# Allegro board LED_FIN.brd (continued)
## Routing (per net, layer and track width the routed paths; a pad name or vN(x,y) marks a point on that pad's centre or on a via; arc(x,y) is an arc through that point) (continued)
COL_OUT_B57: length 244.9
  TOP w0.15: D7083.1 v1(163.25,300.8) ; D7263.1 v1(163.25,288.8) ; D7023.1 v1(163.25,304.8) ; D7533.1 v1(163.25,270.8) ; v1(162.55,99.8) R183.1 ; D7743.1 v1(163.25,256.8) ; D7143.1 v1(163.25,296.8) ; D7773.1 v1(163.25,254.8) ; D7803.1 v1(163.25,252.8) ; D7893.1 v1(163.25,246.8) ; D6963.1 v1(163.25,308.8) ; D7383.1 v1(163.25,280.8) ; D7563.1 v1(163.25,268.8) ; D7293.1 v1(163.25,286.8) ; D7713.1 v1(163.25,258.8) ; D7113.1 v1(163.25,298.8) ; D7473.1 v1(163.25,274.8) ; D7173.1 v1(163.25,294.8) ; D7923.1 v1(163.25,244.8) ; D7323.1 v1(163.25,284.8) ; D7233.1 v1(163.25,290.8) ; D7653.1 v1(163.25,262.8) ; D7833.1 v1(163.25,250.8) ; D7863.1 v1(163.25,248.8) ; D7953.1 v1(163.25,242.8) ; D6933.1 v1(163.25,310.8) ; D7203.1 v1(163.25,292.8) ; D6903.1 v1(163.25,312.8) ; D7053.1 v1(163.25,302.8) ; D7503.1 v1(163.25,272.8) ; D7593.1 v1(163.25,266.8) ; D7683.1 v1(163.25,260.8) ; D7413.1 v1(163.25,278.8) ; D6993.1 v1(163.25,306.8) ; D6843.1 v1(163.25,316.8) ; D6873.1 v1(163.25,314.8) ; D7443.1 v1(163.25,276.8) ; D7353.1 v1(163.25,282.8) ; D7623.1 v1(163.25,264.8)
  BOTTOM w0.15: v1(162.55,99.8) 162.55,100.3 162.3,100.55 162.3,132.55 162.55,132.8 162.55,242.1 v1(163.25,242.8) v1(163.25,244.8) v1(163.25,246.8) v1(163.25,248.8) v1(163.25,250.8) v1(163.25,252.8) v1(163.25,254.8) v1(163.25,256.8) v1(163.25,258.8) v1(163.25,260.8) v1(163.25,262.8) v1(163.25,264.8) v1(163.25,266.8) v1(163.25,268.8) v1(163.25,270.8) v1(163.25,272.8) v1(163.25,274.8) v1(163.25,276.8) v1(163.25,278.8) v1(163.25,280.8) v1(163.25,282.8) v1(163.25,284.8) v1(163.25,286.8) v1(163.25,288.8) v1(163.25,290.8) v1(163.25,292.8) v1(163.25,294.8) v1(163.25,296.8) v1(163.25,298.8) v1(163.25,300.8) v1(163.25,302.8) v1(163.25,304.8) v1(163.25,306.8) v1(163.25,308.8) v1(163.25,310.8) v1(163.25,312.8) v1(163.25,314.8) v1(163.25,316.8)
COL_OUT_B58: length 245
  TOP w0.15: D7322.1 v1(161.25,284.8) ; D6872.1 v1(161.25,314.8) ; D6932.1 v1(161.25,310.8) ; D7622.1 v1(161.25,264.8) ; D7262.1 v1(161.25,288.8) ; D7352.1 v1(161.25,282.8) ; D7562.1 v1(161.25,268.8) ; D7052.1 v1(161.25,302.8) ; D7832.1 v1(161.25,250.8) ; D7892.1 v1(161.25,246.8) ; D7172.1 v1(161.25,294.8) ; D7412.1 v1(161.25,278.8) ; D7082.1 v1(161.25,300.8) ; D6992.1 v1(161.25,306.8) ; D7292.1 v1(161.25,286.8) ; D7142.1 v1(161.25,296.8) ; D7652.1 v1(161.25,262.8) ; D7682.1 v1(161.25,260.8) ; D7532.1 v1(161.25,270.8) ; D7712.1 v1(161.25,258.8) ; D7472.1 v1(161.25,274.8) ; D7952.1 v1(161.25,242.8) ; D7802.1 v1(161.25,252.8) ; D7442.1 v1(161.25,276.8) ; D7112.1 v1(161.25,298.8) ; D7022.1 v1(161.25,304.8) ; D6902.1 v1(161.25,312.8) ; D7742.1 v1(161.25,256.8) ; v1(160.55,132.8) 160.96,132.39 160.96,129.21 v1(160.55,128.8) ; D7862.1 v1(161.25,248.8) ; D7772.1 v1(161.25,254.8) ; D7592.1 v1(161.25,266.8) ; D7202.1 v1(161.25,292.8) ; D7922.1 v1(161.25,244.8) ; v1(160.55,99.8) R182.1 ; D7382.1 v1(161.25,280.8) ; D7232.1 v1(161.25,290.8) ; D6842.1 v1(161.25,316.8) ; D6962.1 v1(161.25,308.8) ; D7502.1 v1(161.25,272.8)
  BOTTOM w0.15: v1(160.55,132.8) 160.55,242.1 v1(161.25,242.8) v1(161.25,244.8) v1(161.25,246.8) v1(161.25,248.8) v1(161.25,250.8) v1(161.25,252.8) v1(161.25,254.8) v1(161.25,256.8) v1(161.25,258.8) v1(161.25,260.8) v1(161.25,262.8) v1(161.25,264.8) v1(161.25,266.8) v1(161.25,268.8) v1(161.25,270.8) v1(161.25,272.8) v1(161.25,274.8) v1(161.25,276.8) v1(161.25,278.8) v1(161.25,280.8) v1(161.25,282.8) v1(161.25,284.8) v1(161.25,286.8) v1(161.25,288.8) v1(161.25,290.8) v1(161.25,292.8) v1(161.25,294.8) v1(161.25,296.8) v1(161.25,298.8) v1(161.25,300.8) v1(161.25,302.8) v1(161.25,304.8) v1(161.25,306.8) v1(161.25,308.8) v1(161.25,310.8) v1(161.25,312.8) v1(161.25,314.8) v1(161.25,316.8) ; v1(160.55,128.8) v1(160.55,99.8)
COL_OUT_B59: length 244.7
  TOP w0.15: D7771.1 v1(159.25,254.8) ; D7621.1 v1(159.25,264.8) ; D7351.1 v1(159.25,282.8) ; D7921.1 v1(159.25,244.8) ; D7951.1 v1(159.25,242.8) ; D7561.1 v1(159.25,268.8) ; D7021.1 v1(159.25,304.8) ; D7681.1 v1(159.25,260.8) ; D6991.1 v1(159.25,306.8) ; D7651.1 v1(159.25,262.8) ; D7261.1 v1(159.25,288.8) ; D7501.1 v1(159.25,272.8) ; D7291.1 v1(159.25,286.8) ; D7051.1 v1(159.25,302.8) ; D7711.1 v1(159.25,258.8) ; D7861.1 v1(159.25,248.8) ; v1(158.55,99.8) R181.1 ; D7381.1 v1(159.25,280.8) ; D6931.1 v1(159.25,310.8) ; D7141.1 v1(159.25,296.8) ; D6961.1 v1(159.25,308.8) ; D7471.1 v1(159.25,274.8) ; D7201.1 v1(159.25,292.8) ; D7081.1 v1(159.25,300.8) ; D7801.1 v1(159.25,252.8) ; D7531.1 v1(159.25,270.8) ; D7111.1 v1(159.25,298.8) ; D7741.1 v1(159.25,256.8) ; D7891.1 v1(159.25,246.8) ; D7441.1 v1(159.25,276.8) ; D7411.1 v1(159.25,278.8) ; D7831.1 v1(159.25,250.8) ; D6871.1 v1(159.25,314.8) ; D7231.1 v1(159.25,290.8) ; D6841.1 v1(159.25,316.8) ; D7591.1 v1(159.25,266.8) ; D7321.1 v1(159.25,284.8) ; D6901.1 v1(159.25,312.8) ; D7171.1 v1(159.25,294.8)
  BOTTOM w0.15: v1(158.55,99.8) 158.49,99.86 158.49,242.04 v1(159.25,242.8) v1(159.25,244.8) v1(159.25,246.8) v1(159.25,248.8) v1(159.25,250.8) v1(159.25,252.8) v1(159.25,254.8) v1(159.25,256.8) v1(159.25,258.8) v1(159.25,260.8) v1(159.25,262.8) v1(159.25,264.8) v1(159.25,266.8) v1(159.25,268.8) v1(159.25,270.8) v1(159.25,272.8) v1(159.25,274.8) v1(159.25,276.8) v1(159.25,278.8) v1(159.25,280.8) v1(159.25,282.8) v1(159.25,284.8) v1(159.25,286.8) v1(159.25,288.8) v1(159.25,290.8) v1(159.25,292.8) v1(159.25,294.8) v1(159.25,296.8) v1(159.25,298.8) v1(159.25,300.8) v1(159.25,302.8) v1(159.25,304.8) v1(159.25,306.8) v1(159.25,308.8) v1(159.25,310.8) v1(159.25,312.8) v1(159.25,314.8) v1(159.25,316.8)
COL_OUT_B60: length 245.2
  TOP w0.15: D6330.1 v1(157.25,276.8) ; D5850.1 v1(157.25,308.8) ; D5820.1 v1(157.25,310.8) ; D5940.1 v1(157.25,302.8) ; D6360.1 v1(157.25,274.8) ; D6030.1 v1(157.25,296.8) ; D6210.1 v1(157.25,284.8) ; D6510.1 v1(157.25,264.8) ; D6720.1 v1(157.25,250.8) ; D6090.1 v1(157.25,292.8) ; D6600.1 v1(157.25,258.8) ; D5760.1 v1(157.25,314.8) ; D6060.1 v1(157.25,294.8) ; D6780.1 v1(157.25,246.8) ; D5880.1 v1(157.25,306.8) ; D6570.1 v1(157.25,260.8) ; D6270.1 v1(157.25,280.8) ; D5970.1 v1(157.25,300.8) ; D6690.1 v1(157.25,252.8) ; D6120.1 v1(157.25,290.8) ; D6840.1 v1(157.25,242.8) ; D6000.1 v1(157.25,298.8) ; D6480.1 v1(157.25,266.8) ; D6390.1 v1(157.25,272.8) ; D6540.1 v1(157.25,262.8) ; D5910.1 v1(157.25,304.8) ; D6150.1 v1(157.25,288.8) ; D6810.1 v1(157.25,244.8) ; D6420.1 v1(157.25,270.8) ; D6240.1 v1(157.25,282.8) ; D6630.1 v1(157.25,256.8) ; D6180.1 v1(157.25,286.8) ; D6660.1 v1(157.25,254.8) ; v1(156.55,99.8) R180.1 ; D6750.1 v1(157.25,248.8) ; D5790.1 v1(157.25,312.8) ; D5730.1 v1(157.25,316.8) ; D6300.1 v1(157.25,278.8) ; D6450.1 v1(157.25,268.8)
  BOTTOM w0.15: v1(156.55,99.8) 155.95,100.4 155.95,131.75 156.55,132.35 156.55,242.1 v1(157.25,242.8) v1(157.25,244.8) v1(157.25,246.8) v1(157.25,248.8) v1(157.25,250.8) v1(157.25,252.8) v1(157.25,254.8) v1(157.25,256.8) v1(157.25,258.8) v1(157.25,260.8) v1(157.25,262.8) v1(157.25,264.8) v1(157.25,266.8) v1(157.25,268.8) v1(157.25,270.8) v1(157.25,272.8) v1(157.25,274.8) v1(157.25,276.8) v1(157.25,278.8) v1(157.25,280.8) v1(157.25,282.8) v1(157.25,284.8) v1(157.25,286.8) v1(157.25,288.8) v1(157.25,290.8) v1(157.25,292.8) v1(157.25,294.8) v1(157.25,296.8) v1(157.25,298.8) v1(157.25,300.8) v1(157.25,302.8) v1(157.25,304.8) v1(157.25,306.8) v1(157.25,308.8) v1(157.25,310.8) v1(157.25,312.8) v1(157.25,314.8) v1(157.25,316.8)
COL_OUT_B61: length 244.7
  TOP w0.15: D6419.1 v1(155.25,270.8) ; v1(154.55,128.8) 154.61,128.86 154.61,132.74 v1(154.55,132.8) ; D6659.1 v1(155.25,254.8) ; D6689.1 v1(155.25,252.8) ; D5909.1 v1(155.25,304.8) ; D5759.1 v1(155.25,314.8) ; D6359.1 v1(155.25,274.8) ; D6479.1 v1(155.25,266.8) ; D6629.1 v1(155.25,256.8) ; v1(154.55,99.8) R179.1 ; D6569.1 v1(155.25,260.8) ; D5849.1 v1(155.25,308.8) ; D6449.1 v1(155.25,268.8) ; D6719.1 v1(155.25,250.8) ; D5819.1 v1(155.25,310.8) ; D5879.1 v1(155.25,306.8) ; D6269.1 v1(155.25,280.8) ; D5729.1 v1(155.25,316.8) ; D6059.1 v1(155.25,294.8) ; D5969.1 v1(155.25,300.8) ; D6239.1 v1(155.25,282.8) ; D6149.1 v1(155.25,288.8) ; D6299.1 v1(155.25,278.8) ; D5789.1 v1(155.25,312.8) ; D6839.1 v1(155.25,242.8) ; D6329.1 v1(155.25,276.8) ; D6029.1 v1(155.25,296.8) ; D5999.1 v1(155.25,298.8) ; D6209.1 v1(155.25,284.8) ; D6599.1 v1(155.25,258.8) ; D6809.1 v1(155.25,244.8) ; D6119.1 v1(155.25,290.8) ; D6539.1 v1(155.25,262.8) ; D6779.1 v1(155.25,246.8) ; D6089.1 v1(155.25,292.8) ; D5939.1 v1(155.25,302.8) ; D6179.1 v1(155.25,286.8) ; D6749.1 v1(155.25,248.8) ; D6389.1 v1(155.25,272.8) ; D6509.1 v1(155.25,264.8)
  BOTTOM w0.15: v1(155.25,316.8) v1(155.25,314.8) v1(155.25,312.8) v1(155.25,310.8) v1(155.25,308.8) v1(155.25,306.8) v1(155.25,304.8) v1(155.25,302.8) v1(155.25,300.8) v1(155.25,298.8) v1(155.25,296.8) v1(155.25,294.8) v1(155.25,292.8) v1(155.25,290.8) v1(155.25,288.8) v1(155.25,286.8) v1(155.25,284.8) v1(155.25,282.8) v1(155.25,280.8) v1(155.25,278.8) v1(155.25,276.8) v1(155.25,274.8) v1(155.25,272.8) v1(155.25,270.8) v1(155.25,268.8) v1(155.25,266.8) v1(155.25,264.8) v1(155.25,262.8) v1(155.25,260.8) v1(155.25,258.8) v1(155.25,256.8) v1(155.25,254.8) v1(155.25,252.8) v1(155.25,250.8) v1(155.25,248.8) v1(155.25,246.8) v1(155.25,244.8) v1(155.25,242.8) 154.55,242.1 v1(154.55,132.8) ; v1(154.55,128.8) v1(154.55,99.8)
COL_OUT_B62: length 245
  TOP w0.15: D6028.1 v1(153.25,296.8) ; D5788.1 v1(153.25,312.8) ; D6268.1 v1(153.25,280.8) ; D6418.1 v1(153.25,270.8) ; D5968.1 v1(153.25,300.8) ; D6808.1 v1(153.25,244.8) ; D5848.1 v1(153.25,308.8) ; D6538.1 v1(153.25,262.8) ; D6478.1 v1(153.25,266.8) ; D6778.1 v1(153.25,246.8) ; D6628.1 v1(153.25,256.8) ; D6448.1 v1(153.25,268.8) ; D6148.1 v1(153.25,288.8) ; D6208.1 v1(153.25,284.8) ; D6598.1 v1(153.25,258.8) ; D6508.1 v1(153.25,264.8) ; D6388.1 v1(153.25,272.8) ; D6658.1 v1(153.25,254.8) ; D5818.1 v1(153.25,310.8) ; D6358.1 v1(153.25,274.8) ; D6748.1 v1(153.25,248.8) ; D5908.1 v1(153.25,304.8) ; D6718.1 v1(153.25,250.8) ; D5998.1 v1(153.25,298.8) ; D6568.1 v1(153.25,260.8) ; D6118.1 v1(153.25,290.8) ; D5758.1 v1(153.25,314.8) ; D5728.1 v1(153.25,316.8) ; D6238.1 v1(153.25,282.8) ; D6688.1 v1(153.25,252.8) ; D5938.1 v1(153.25,302.8) ; D6088.1 v1(153.25,292.8) ; D6178.1 v1(153.25,286.8) ; D6838.1 v1(153.25,242.8) ; D6058.1 v1(153.25,294.8) ; D6298.1 v1(153.25,278.8) ; D6328.1 v1(153.25,276.8) ; D5878.1 v1(153.25,306.8) ; v1(152.55,99.8) R178.1
  BOTTOM w0.15: v1(153.25,316.8) v1(153.25,314.8) v1(153.25,312.8) v1(153.25,310.8) v1(153.25,308.8) v1(153.25,306.8) v1(153.25,304.8) v1(153.25,302.8) v1(153.25,300.8) v1(153.25,298.8) v1(153.25,296.8) v1(153.25,294.8) v1(153.25,292.8) v1(153.25,290.8) v1(153.25,288.8) v1(153.25,286.8) v1(153.25,284.8) v1(153.25,282.8) v1(153.25,280.8) v1(153.25,278.8) v1(153.25,276.8) v1(153.25,274.8) v1(153.25,272.8) v1(153.25,270.8) v1(153.25,268.8) v1(153.25,266.8) v1(153.25,264.8) v1(153.25,262.8) v1(153.25,260.8) v1(153.25,258.8) v1(153.25,256.8) v1(153.25,254.8) v1(153.25,252.8) v1(153.25,250.8) v1(153.25,248.8) v1(153.25,246.8) v1(153.25,244.8) v1(153.25,242.8) 152.55,242.1 152.55,132.16 152.14,131.75 152.14,100.21 v1(152.55,99.8)
COL_OUT_B63: length 244.9
  TOP w0.15: D5907.1 v1(151.25,304.8) ; D6417.1 v1(151.25,270.8) ; D6357.1 v1(151.25,274.8) ; D6327.1 v1(151.25,276.8) ; D5757.1 v1(151.25,314.8) ; D6237.1 v1(151.25,282.8) ; D6207.1 v1(151.25,284.8) ; D6087.1 v1(151.25,292.8) ; D5937.1 v1(151.25,302.8) ; D6027.1 v1(151.25,296.8) ; D6447.1 v1(151.25,268.8) ; D6747.1 v1(151.25,248.8) ; D6507.1 v1(151.25,264.8) ; D6147.1 v1(151.25,288.8) ; D6567.1 v1(151.25,260.8) ; D6597.1 v1(151.25,258.8) ; D6117.1 v1(151.25,290.8) ; D6537.1 v1(151.25,262.8) ; D5787.1 v1(151.25,312.8) ; D5817.1 v1(151.25,310.8) ; D6717.1 v1(151.25,250.8) ; D6057.1 v1(151.25,294.8) ; D6837.1 v1(151.25,242.8) ; D6267.1 v1(151.25,280.8) ; D6687.1 v1(151.25,252.8) ; D5997.1 v1(151.25,298.8) ; D5847.1 v1(151.25,308.8) ; D6627.1 v1(151.25,256.8) ; D5967.1 v1(151.25,300.8) ; D6777.1 v1(151.25,246.8) ; D5727.1 v1(151.25,316.8) ; D5877.1 v1(151.25,306.8) ; v1(150.55,128.8) 150.55,129.3 150.8,129.55 150.8,132.05 150.55,132.3 v1(150.55,132.8) ; v1(150.55,99.8) R177.1 ; D6177.1 v1(151.25,286.8) ; D6387.1 v1(151.25,272.8) ; D6297.1 v1(151.25,278.8) ; D6807.1 v1(151.25,244.8) ; D6657.1 v1(151.25,254.8) ; D6477.1 v1(151.25,266.8)
  BOTTOM w0.15: v1(150.55,128.8) v1(150.55,99.8) ; v1(150.55,132.8) 150.55,242.1 v1(151.25,242.8) v1(151.25,244.8) v1(151.25,246.8) v1(151.25,248.8) v1(151.25,250.8) v1(151.25,252.8) v1(151.25,254.8) v1(151.25,256.8) v1(151.25,258.8) v1(151.25,260.8) v1(151.25,262.8) v1(151.25,264.8) v1(151.25,266.8) v1(151.25,268.8) v1(151.25,270.8) v1(151.25,272.8) v1(151.25,274.8) v1(151.25,276.8) v1(151.25,278.8) v1(151.25,280.8) v1(151.25,282.8) v1(151.25,284.8) v1(151.25,286.8) v1(151.25,288.8) v1(151.25,290.8) v1(151.25,292.8) v1(151.25,294.8) v1(151.25,296.8) v1(151.25,298.8) v1(151.25,300.8) v1(151.25,302.8) v1(151.25,304.8) v1(151.25,306.8) v1(151.25,308.8) v1(151.25,310.8) v1(151.25,312.8) v1(151.25,314.8) v1(151.25,316.8)
COL_OUT_B64: length 244.9
  TOP w0.15: D6146.1 v1(149.25,288.8) ; D5786.1 v1(149.25,312.8) ; D6506.1 v1(149.25,264.8) ; D6446.1 v1(149.25,268.8) ; D5726.1 v1(149.25,316.8) ; D6086.1 v1(149.25,292.8) ; D6266.1 v1(149.25,280.8) ; D6116.1 v1(149.25,290.8) ; D6206.1 v1(149.25,284.8) ; D6536.1 v1(149.25,262.8) ; D5846.1 v1(149.25,308.8) ; D5996.1 v1(149.25,298.8) ; D6626.1 v1(149.25,256.8) ; D6296.1 v1(149.25,278.8) ; D6386.1 v1(149.25,272.8) ; D6806.1 v1(149.25,244.8) ; D6716.1 v1(149.25,250.8) ; D6746.1 v1(149.25,248.8) ; D6836.1 v1(149.25,242.8) ; D6176.1 v1(149.25,286.8) ; D6026.1 v1(149.25,296.8) ; D5936.1 v1(149.25,302.8) ; D6356.1 v1(149.25,274.8) ; D6686.1 v1(149.25,252.8) ; D6416.1 v1(149.25,270.8) ; D6056.1 v1(149.25,294.8) ; D6476.1 v1(149.25,266.8) ; D5816.1 v1(149.25,310.8) ; D6596.1 v1(149.25,258.8) ; D6326.1 v1(149.25,276.8) ; D5756.1 v1(149.25,314.8) ; D6236.1 v1(149.25,282.8) ; D6776.1 v1(149.25,246.8) ; D5876.1 v1(149.25,306.8) ; D5966.1 v1(149.25,300.8) ; D5906.1 v1(149.25,304.8) ; D6656.1 v1(149.25,254.8) ; v1(148.55,99.8) R176.1 ; D6566.1 v1(149.25,260.8)
  BOTTOM w0.15: v1(148.55,99.8) 148.55,100.3 148.33,100.52 148.33,131.75 148.55,131.97 148.55,242.1 v1(149.25,242.8) v1(149.25,244.8) v1(149.25,246.8) v1(149.25,248.8) v1(149.25,250.8) v1(149.25,252.8) v1(149.25,254.8) v1(149.25,256.8) v1(149.25,258.8) v1(149.25,260.8) v1(149.25,262.8) v1(149.25,264.8) v1(149.25,266.8) v1(149.25,268.8) v1(149.25,270.8) v1(149.25,272.8) v1(149.25,274.8) v1(149.25,276.8) v1(149.25,278.8) v1(149.25,280.8) v1(149.25,282.8) v1(149.25,284.8) v1(149.25,286.8) v1(149.25,288.8) v1(149.25,290.8) v1(149.25,292.8) v1(149.25,294.8) v1(149.25,296.8) v1(149.25,298.8) v1(149.25,300.8) v1(149.25,302.8) v1(149.25,304.8) v1(149.25,306.8) v1(149.25,308.8) v1(149.25,310.8) v1(149.25,312.8) v1(149.25,314.8) v1(149.25,316.8)
COL_OUT_B65: length 245.1
  TOP w0.15: D6145.1 v1(147.25,288.8) ; D5845.1 v1(147.25,308.8) ; D6175.1 v1(147.25,286.8) ; D5995.1 v1(147.25,298.8) ; D6115.1 v1(147.25,290.8) ; D6595.1 v1(147.25,258.8) ; D5785.1 v1(147.25,312.8) ; D6445.1 v1(147.25,268.8) ; D6235.1 v1(147.25,282.8) ; D5755.1 v1(147.25,314.8) ; D6265.1 v1(147.25,280.8) ; D6505.1 v1(147.25,264.8) ; D6385.1 v1(147.25,272.8) ; D6775.1 v1(147.25,246.8) ; D5935.1 v1(147.25,302.8) ; D6655.1 v1(147.25,254.8) ; D5965.1 v1(147.25,300.8) ; D6325.1 v1(147.25,276.8) ; D6415.1 v1(147.25,270.8) ; v1(146.55,132.8) 146.99,132.36 146.99,129.24 v1(146.55,128.8) ; D6295.1 v1(147.25,278.8) ; D6715.1 v1(147.25,250.8) ; v1(146.55,99.8) R175.1 ; D6685.1 v1(147.25,252.8) ; D6835.1 v1(147.25,242.8) ; D6355.1 v1(147.25,274.8) ; D5875.1 v1(147.25,306.8) ; D6475.1 v1(147.25,266.8) ; D6025.1 v1(147.25,296.8) ; D6805.1 v1(147.25,244.8) ; D5815.1 v1(147.25,310.8) ; D6625.1 v1(147.25,256.8) ; D6745.1 v1(147.25,248.8) ; D6055.1 v1(147.25,294.8) ; D5905.1 v1(147.25,304.8) ; D6565.1 v1(147.25,260.8) ; D6205.1 v1(147.25,284.8) ; D5725.1 v1(147.25,316.8) ; D6085.1 v1(147.25,292.8) ; D6535.1 v1(147.25,262.8)
  BOTTOM w0.15: v1(147.25,316.8) v1(147.25,314.8) v1(147.25,312.8) v1(147.25,310.8) v1(147.25,308.8) v1(147.25,306.8) v1(147.25,304.8) v1(147.25,302.8) v1(147.25,300.8) v1(147.25,298.8) v1(147.25,296.8) v1(147.25,294.8) v1(147.25,292.8) v1(147.25,290.8) v1(147.25,288.8) v1(147.25,286.8) v1(147.25,284.8) v1(147.25,282.8) v1(147.25,280.8) v1(147.25,278.8) v1(147.25,276.8) v1(147.25,274.8) v1(147.25,272.8) v1(147.25,270.8) v1(147.25,268.8) v1(147.25,266.8) v1(147.25,264.8) v1(147.25,262.8) v1(147.25,260.8) v1(147.25,258.8) v1(147.25,256.8) v1(147.25,254.8) v1(147.25,252.8) v1(147.25,250.8) v1(147.25,248.8) v1(147.25,246.8) v1(147.25,244.8) v1(147.25,242.8) 146.55,242.1 v1(146.55,132.8) ; v1(146.55,128.8) v1(146.55,99.8)
COL_OUT_B66: length 244.7
  TOP w0.15: D6504.1 v1(145.25,264.8) ; D5724.1 v1(145.25,316.8) ; D6714.1 v1(145.25,250.8) ; D6114.1 v1(145.25,290.8) ; v1(144.55,99.8) R174.1 ; D6594.1 v1(145.25,258.8) ; D6324.1 v1(145.25,276.8) ; D6744.1 v1(145.25,248.8) ; D6444.1 v1(145.25,268.8) ; D6564.1 v1(145.25,260.8) ; D6234.1 v1(145.25,282.8) ; D6474.1 v1(145.25,266.8) ; D5934.1 v1(145.25,302.8) ; D6264.1 v1(145.25,280.8) ; D6684.1 v1(145.25,252.8) ; D5964.1 v1(145.25,300.8) ; D6414.1 v1(145.25,270.8) ; D6204.1 v1(145.25,284.8) ; D5784.1 v1(145.25,312.8) ; D6294.1 v1(145.25,278.8) ; D6654.1 v1(145.25,254.8) ; D6384.1 v1(145.25,272.8) ; D6804.1 v1(145.25,244.8) ; D5814.1 v1(145.25,310.8) ; D6774.1 v1(145.25,246.8) ; D5874.1 v1(145.25,306.8) ; D6174.1 v1(145.25,286.8) ; D5844.1 v1(145.25,308.8) ; D6144.1 v1(145.25,288.8) ; D6624.1 v1(145.25,256.8) ; D5754.1 v1(145.25,314.8) ; D5904.1 v1(145.25,304.8) ; D6354.1 v1(145.25,274.8) ; D6054.1 v1(145.25,294.8) ; D5994.1 v1(145.25,298.8) ; D6024.1 v1(145.25,296.8) ; D6084.1 v1(145.25,292.8) ; D6534.1 v1(145.25,262.8) ; D6834.1 v1(145.25,242.8)
  BOTTOM w0.15: v1(145.25,316.8) v1(145.25,314.8) v1(145.25,312.8) v1(145.25,310.8) v1(145.25,308.8) v1(145.25,306.8) v1(145.25,304.8) v1(145.25,302.8) v1(145.25,300.8) v1(145.25,298.8) v1(145.25,296.8) v1(145.25,294.8) v1(145.25,292.8) v1(145.25,290.8) v1(145.25,288.8) v1(145.25,286.8) v1(145.25,284.8) v1(145.25,282.8) v1(145.25,280.8) v1(145.25,278.8) v1(145.25,276.8) v1(145.25,274.8) v1(145.25,272.8) v1(145.25,270.8) v1(145.25,268.8) v1(145.25,266.8) v1(145.25,264.8) v1(145.25,262.8) v1(145.25,260.8) v1(145.25,258.8) v1(145.25,256.8) v1(145.25,254.8) v1(145.25,252.8) v1(145.25,250.8) v1(145.25,248.8) v1(145.25,246.8) v1(145.25,244.8) v1(145.25,242.8) 144.52,242.07 144.52,99.83 v1(144.55,99.8)
COL_OUT_B67: length 245.2
  TOP w0.15: D6383.1 v1(143.25,272.8) ; D5903.1 v1(143.25,304.8) ; D5963.1 v1(143.25,300.8) ; D6683.1 v1(143.25,252.8) ; D6203.1 v1(143.25,284.8) ; D6173.1 v1(143.25,286.8) ; D6023.1 v1(143.25,296.8) ; D6113.1 v1(143.25,290.8) ; D6803.1 v1(143.25,244.8) ; D5993.1 v1(143.25,298.8) ; D6143.1 v1(143.25,288.8) ; D6533.1 v1(143.25,262.8) ; D6773.1 v1(143.25,246.8) ; D6503.1 v1(143.25,264.8) ; D5813.1 v1(143.25,310.8) ; D6593.1 v1(143.25,258.8) ; D6263.1 v1(143.25,280.8) ; D5783.1 v1(143.25,312.8) ; D6323.1 v1(143.25,276.8) ; D6083.1 v1(143.25,292.8) ; D6293.1 v1(143.25,278.8) ; D5873.1 v1(143.25,306.8) ; D5933.1 v1(143.25,302.8) ; D6623.1 v1(143.25,256.8) ; D5753.1 v1(143.25,314.8) ; D6653.1 v1(143.25,254.8) ; D6233.1 v1(143.25,282.8) ; D6473.1 v1(143.25,266.8) ; D6353.1 v1(143.25,274.8) ; D6743.1 v1(143.25,248.8) ; D6563.1 v1(143.25,260.8) ; D6053.1 v1(143.25,294.8) ; D6443.1 v1(143.25,268.8) ; D6833.1 v1(143.25,242.8) ; D6413.1 v1(143.25,270.8) ; D6713.1 v1(143.25,250.8) ; D5723.1 v1(143.25,316.8) ; v1(142.55,99.8) R173.1 ; D5843.1 v1(143.25,308.8)
  BOTTOM w0.15: v1(143.25,316.8) v1(143.25,314.8) v1(143.25,312.8) v1(143.25,310.8) v1(143.25,308.8) v1(143.25,306.8) v1(143.25,304.8) v1(143.25,302.8) v1(143.25,300.8) v1(143.25,298.8) v1(143.25,296.8) v1(143.25,294.8) v1(143.25,292.8) v1(143.25,290.8) v1(143.25,288.8) v1(143.25,286.8) v1(143.25,284.8) v1(143.25,282.8) v1(143.25,280.8) v1(143.25,278.8) v1(143.25,276.8) v1(143.25,274.8) v1(143.25,272.8) v1(143.25,270.8) v1(143.25,268.8) v1(143.25,266.8) v1(143.25,264.8) v1(143.25,262.8) v1(143.25,260.8) v1(143.25,258.8) v1(143.25,256.8) v1(143.25,254.8) v1(143.25,252.8) v1(143.25,250.8) v1(143.25,248.8) v1(143.25,246.8) v1(143.25,244.8) v1(143.25,242.8) 142.55,242.1 142.55,132.8 141.98,132.23 141.98,100.37 v1(142.55,99.8)
COL_OUT_B68: length 244.8
  TOP w0.15: D6652.1 v1(141.25,254.8) ; D5932.1 v1(141.25,302.8) ; D6022.1 v1(141.25,296.8) ; D6232.1 v1(141.25,282.8) ; D6382.1 v1(141.25,272.8) ; D6202.1 v1(141.25,284.8) ; D5872.1 v1(141.25,306.8) ; D6412.1 v1(141.25,270.8) ; D6322.1 v1(141.25,276.8) ; D6682.1 v1(141.25,252.8) ; D6562.1 v1(141.25,260.8) ; v1(140.55,128.8) 140.64,128.89 140.64,132.71 v1(140.55,132.8) ; D6802.1 v1(141.25,244.8) ; D5842.1 v1(141.25,308.8) ; D6352.1 v1(141.25,274.8) ; D5812.1 v1(141.25,310.8) ; D6592.1 v1(141.25,258.8) ; D6832.1 v1(141.25,242.8) ; D6472.1 v1(141.25,266.8) ; D6502.1 v1(141.25,264.8) ; D6082.1 v1(141.25,292.8) ; D6262.1 v1(141.25,280.8) ; D6442.1 v1(141.25,268.8) ; D5722.1 v1(141.25,316.8) ; D6622.1 v1(141.25,256.8) ; D5902.1 v1(141.25,304.8) ; D5752.1 v1(141.25,314.8) ; D6112.1 v1(141.25,290.8) ; D5962.1 v1(141.25,300.8) ; D6742.1 v1(141.25,248.8) ; D5782.1 v1(141.25,312.8) ; D6712.1 v1(141.25,250.8) ; D6292.1 v1(141.25,278.8) ; D6772.1 v1(141.25,246.8) ; D5992.1 v1(141.25,298.8) ; D6172.1 v1(141.25,286.8) ; v1(140.55,99.8) R172.1 ; D6052.1 v1(141.25,294.8) ; D6532.1 v1(141.25,262.8) ; D6142.1 v1(141.25,288.8)
  BOTTOM w0.15: v1(140.55,132.8) 140.55,242.1 v1(141.25,242.8) v1(141.25,244.8) v1(141.25,246.8) v1(141.25,248.8) v1(141.25,250.8) v1(141.25,252.8) v1(141.25,254.8) v1(141.25,256.8) v1(141.25,258.8) v1(141.25,260.8) v1(141.25,262.8) v1(141.25,264.8) v1(141.25,266.8) v1(141.25,268.8) v1(141.25,270.8) v1(141.25,272.8) v1(141.25,274.8) v1(141.25,276.8) v1(141.25,278.8) v1(141.25,280.8) v1(141.25,282.8) v1(141.25,284.8) v1(141.25,286.8) v1(141.25,288.8) v1(141.25,290.8) v1(141.25,292.8) v1(141.25,294.8) v1(141.25,296.8) v1(141.25,298.8) v1(141.25,300.8) v1(141.25,302.8) v1(141.25,304.8) v1(141.25,306.8) v1(141.25,308.8) v1(141.25,310.8) v1(141.25,312.8) v1(141.25,314.8) v1(141.25,316.8) ; v1(140.55,128.8) v1(140.55,99.8)
COL_OUT_B69: length 245
  TOP w0.15: D6681.1 v1(139.25,252.8) ; D6831.1 v1(139.25,242.8) ; v1(138.55,99.8) R171.1 ; D6321.1 v1(139.25,276.8) ; D6291.1 v1(139.25,278.8) ; D6651.1 v1(139.25,254.8) ; D6441.1 v1(139.25,268.8) ; D5721.1 v1(139.25,316.8) ; D6771.1 v1(139.25,246.8) ; D5781.1 v1(139.25,312.8) ; D6141.1 v1(139.25,288.8) ; D6111.1 v1(139.25,290.8) ; D6381.1 v1(139.25,272.8) ; D5811.1 v1(139.25,310.8) ; D6531.1 v1(139.25,262.8) ; D6261.1 v1(139.25,280.8) ; D5991.1 v1(139.25,298.8) ; D6351.1 v1(139.25,274.8) ; D5751.1 v1(139.25,314.8) ; D6171.1 v1(139.25,286.8) ; D6231.1 v1(139.25,282.8) ; D6621.1 v1(139.25,256.8) ; D6201.1 v1(139.25,284.8) ; D6471.1 v1(139.25,266.8) ; D5841.1 v1(139.25,308.8) ; D6081.1 v1(139.25,292.8) ; D6501.1 v1(139.25,264.8) ; D6591.1 v1(139.25,258.8) ; D6021.1 v1(139.25,296.8) ; D6711.1 v1(139.25,250.8) ; D5871.1 v1(139.25,306.8) ; D5961.1 v1(139.25,300.8) ; D6411.1 v1(139.25,270.8) ; D5901.1 v1(139.25,304.8) ; D6561.1 v1(139.25,260.8) ; D6741.1 v1(139.25,248.8) ; D5931.1 v1(139.25,302.8) ; D6051.1 v1(139.25,294.8) ; D6801.1 v1(139.25,244.8)
  BOTTOM w0.15: v1(139.25,316.8) v1(139.25,314.8) v1(139.25,312.8) v1(139.25,310.8) v1(139.25,308.8) v1(139.25,306.8) v1(139.25,304.8) v1(139.25,302.8) v1(139.25,300.8) v1(139.25,298.8) v1(139.25,296.8) v1(139.25,294.8) v1(139.25,292.8) v1(139.25,290.8) v1(139.25,288.8) v1(139.25,286.8) v1(139.25,284.8) v1(139.25,282.8) v1(139.25,280.8) v1(139.25,278.8) v1(139.25,276.8) v1(139.25,274.8) v1(139.25,272.8) v1(139.25,270.8) v1(139.25,268.8) v1(139.25,266.8) v1(139.25,264.8) v1(139.25,262.8) v1(139.25,260.8) v1(139.25,258.8) v1(139.25,256.8) v1(139.25,254.8) v1(139.25,252.8) v1(139.25,250.8) v1(139.25,248.8) v1(139.25,246.8) v1(139.25,244.8) v1(139.25,242.8) 138.55,242.1 138.55,132.8 138.17,132.42 138.17,100.18 v1(138.55,99.8)
COL_OUT_B70: length 244.9
  TOP w0.15: v1(136.55,99.8) R170.1 ; D6620.1 v1(137.25,256.8) ; D6530.1 v1(137.25,262.8) ; D6140.1 v1(137.25,288.8) ; D6710.1 v1(137.25,250.8) ; D6800.1 v1(137.25,244.8) ; D6230.1 v1(137.25,282.8) ; D5990.1 v1(137.25,298.8) ; D6200.1 v1(137.25,284.8) ; D6380.1 v1(137.25,272.8) ; D6680.1 v1(137.25,252.8) ; D5960.1 v1(137.25,300.8) ; D6590.1 v1(137.25,258.8) ; D6290.1 v1(137.25,278.8) ; D6410.1 v1(137.25,270.8) ; D6320.1 v1(137.25,276.8) ; D6260.1 v1(137.25,280.8) ; D5930.1 v1(137.25,302.8) ; D5720.1 v1(137.25,316.8) ; D5840.1 v1(137.25,308.8) ; D6080.1 v1(137.25,292.8) ; D6440.1 v1(137.25,268.8) ; D6500.1 v1(137.25,264.8) ; D6770.1 v1(137.25,246.8) ; D5810.1 v1(137.25,310.8) ; D6740.1 v1(137.25,248.8) ; D6110.1 v1(137.25,290.8) ; D5750.1 v1(137.25,314.8) ; D6470.1 v1(137.25,266.8) ; D6830.1 v1(137.25,242.8) ; D5780.1 v1(137.25,312.8) ; D6350.1 v1(137.25,274.8) ; D5900.1 v1(137.25,304.8) ; D6050.1 v1(137.25,294.8) ; D6560.1 v1(137.25,260.8) ; v1(136.55,128.8) 136.55,129.3 136.83,129.58 136.83,132.52 v1(136.55,132.8) ; D6170.1 v1(137.25,286.8) ; D5870.1 v1(137.25,306.8) ; D6020.1 v1(137.25,296.8) ; D6650.1 v1(137.25,254.8)